# Allegro board 1151864-PCIE3_0_X16-166-20240802_20240815_2000_pcb.brd (continued)
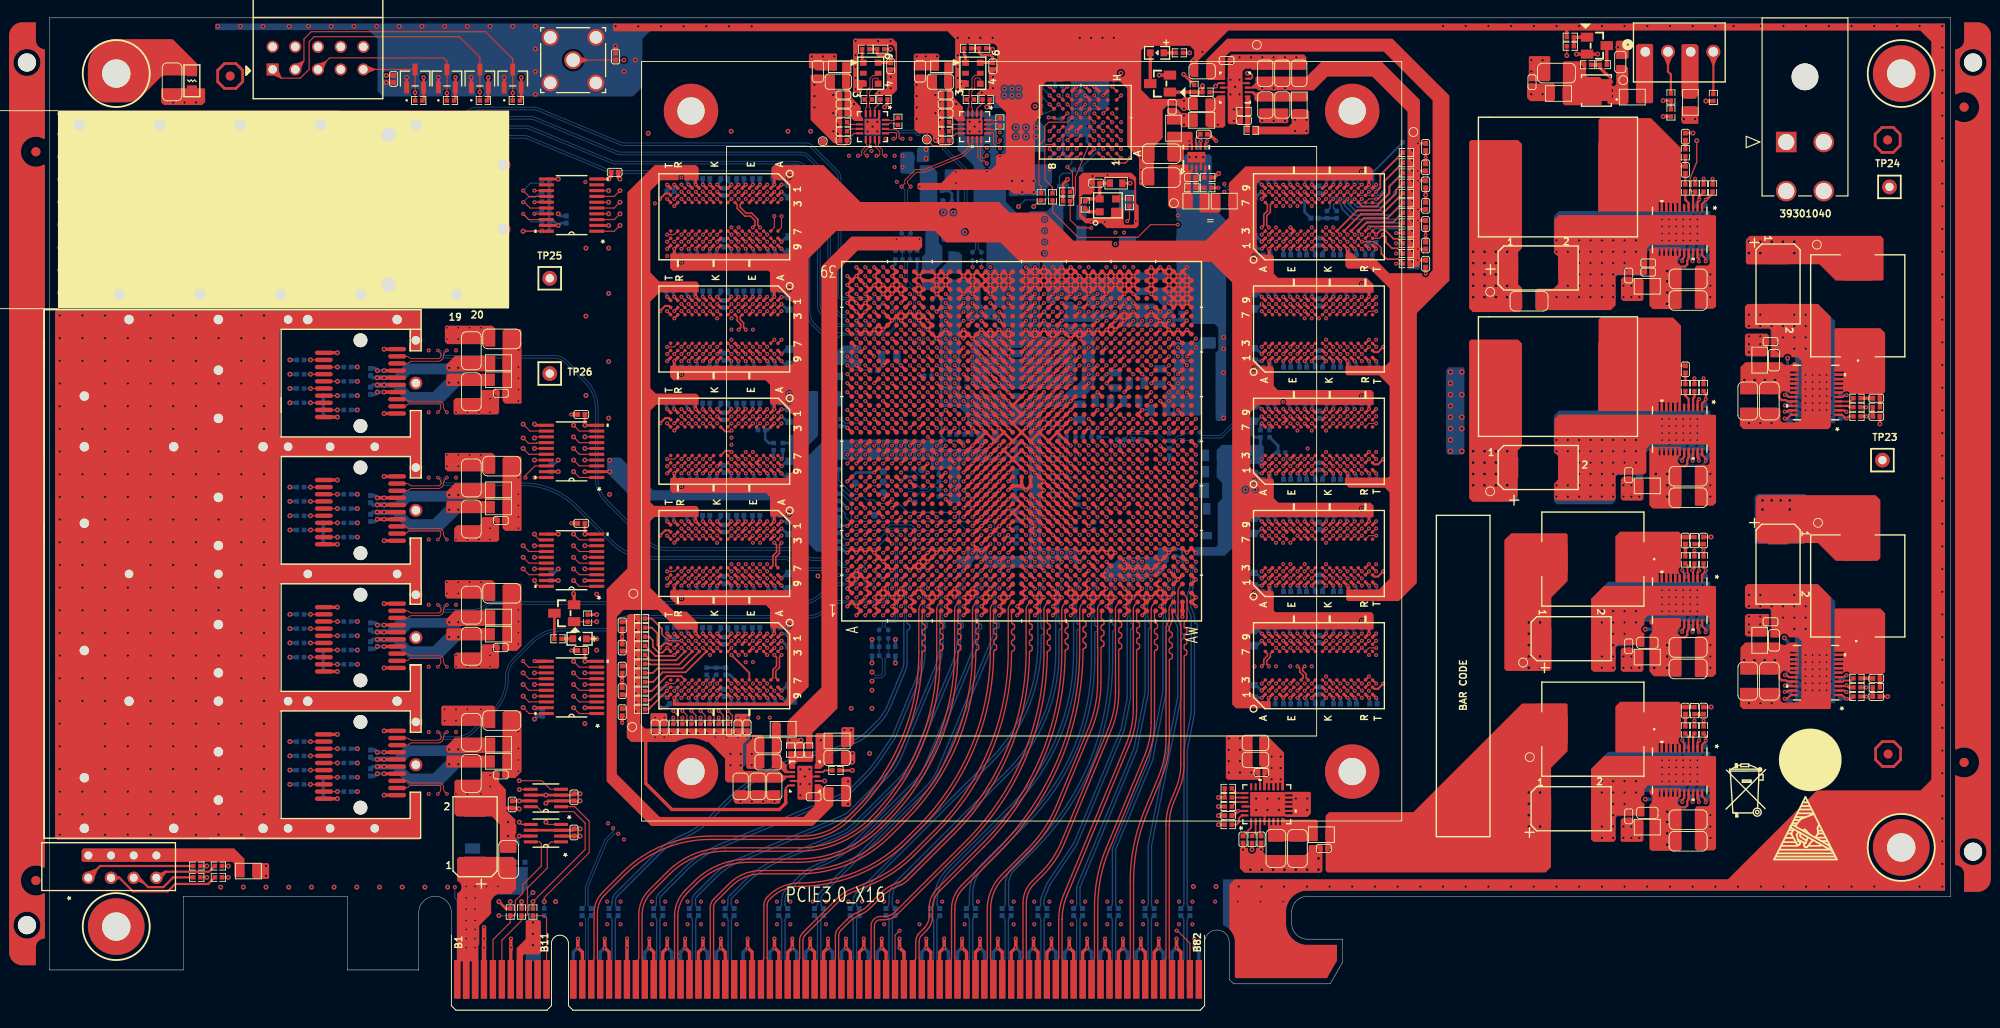
[diagram p0: board, top side]
## Nets (continued)
VCC1V2_VCCO: C54.1(CAP2) C55.1(CAP2) C62.1(CAP2) C63.1(CAP2) C64.1(CAP2) C65.1(CAP2) C66.1(CAP2) C67.1(CAP2) C99.1(CAP2) C100.1(CAP2) C101.1(CAP2) C102.1(CAP2) C103.1(CAP2) C104.1(CAP2) C105.1(CAP2) C106.1(CAP2) C107.1(CAP2) C108.1(CAP2) C109.1(CAP2) C110.1(CAP2) C111.1(CAP2) C112.1(CAP2) C113.1(CAP2) C114.1(CAP2) C115.1(CAP2) C116.1(CAP2) C117.1(CAP2) C118.1(CAP2) C119.1(CAP2) C120.1(CAP2) C121.1(CAP2) C122.1(CAP2) C129.1(CAP2) C130.1(CAP2) C131.1(CAP2) C132.1(CAP2) C133.1(CAP2) C134.1(CAP2) C135.1(CAP2) C136.1(CAP2) C137.1(CAP2) C138.1(CAP2) C139.1(CAP2) C140.1(CAP2) C141.1(CAP2) C142.1(CAP2) C143.1(CAP2) C144.1(CAP2) C145.1(CAP2) C146.1(CAP2) C147.1(CAP2) C148.1(CAP2) C149.1(CAP2) C150.1(CAP2) C151.1(CAP2) C152.1(CAP2) C154.1(CAP2) C170.1(CAP2) C171.1(CAP2) C172.1(CAP2) C173.1(CAP2) C174.1(CAP2) C175.1(CAP2) C176.1(CAP2) C177.1(CAP2) C178.1(CAP2) C179.1(CAP2) C180.1(CAP2) C181.1(CAP2) C188.1(CAP2) C189.1(CAP2) C190.1(CAP2) C191.1(CAP2) C192.1(CAP2) C193.1(CAP2) C194.1(CAP2) C195.1(CAP2) C196.1(CAP2) C197.1(CAP2) C198.1(CAP2) C199.1(CAP2) C200.1(CAP2) C201.1(CAP2) C202.1(CAP2) C203.1(CAP2) C204.1(CAP2) C205.1(CAP2) C206.1(CAP2) C207.1(CAP2) C208.1(CAP2) C209.1(CAP2) C210.1(CAP2) C211.1(CAP2) C218.1(CAP2) C219.1(CAP2) C220.1(CAP2) C221.1(CAP2) C222.1(CAP2) C223.1(CAP2) C224.1(CAP2) C225.1(CAP2) C226.1(CAP2) C227.1(CAP2) C228.1(CAP2) C229.1(CAP2) C230.1(CAP2) C231.1(CAP2) C232.1(CAP2) C233.1(CAP2) C234.1(CAP2) C235.1(CAP2) C236.1(CAP2) C237.1(CAP2) C238.1(CAP2) C239.1(CAP2) C240.1(CAP2) C241.1(CAP2) C243.1(CAP2) C259.1(CAP2) C260.1(CAP2) C261.1(CAP2) C262.1(CAP2) C263.1(CAP2) C264.1(CAP2) C265.1(CAP2) C266.1(CAP2) C267.1(CAP2) C268.1(CAP2) C269.1(CAP2) C270.1(CAP2) L7.2 L10.2 L12.2 R81.1 R94.2 R97.1 R128.1 R136.2 R139.1 U1.A26 U1.AF9 U1.AF19 U1.AG16 U1.AH13 U1.AJ10 U1.AJ20 U1.AK17 U1.AL14 U1.AM11 U1.AM21 U1.AN8 U1.AN18 U1.AP15 U1.AR12 U1.AT9 U1.AT19 U1.AU16 U1.AV13 U1.AW10 U1.AW20 U1.B23 U1.C20 U1.C30 U1.D27 U1.E24 U1.F21 U1.F31 U1.G18 U1.G28 U1.H25 U1.J22 U1.J32 U1.K19 U1.K29 U1.L26 U1.M23 U1.N20 U1.N30 U1.P27 U4.A1(VDDQ1) U4.A9(VDDQ2) U4.B3(VDD1) U4.B9(VDD2) U4.C1(VDDQ3) U4.D1(VDD3) U4.D9(VDDQ4) U4.F2(VDDQ5) U4.F8(VDDQ6) U4.G1(VDDQ7) U4.G7(VDD4) U4.G9(VDDQ8) U4.J1(VDD5) U4.J2(VDDQ9) U4.J8(VDDQ10) U4.J9(VDD6) U4.L1(VDD7) U4.L9(VDD8) U4.R1(VDD9) U4.T9(VDD10) U5.A1(VDDQ1) U5.A9(VDDQ2) U5.B3(VDD1) U5.B9(VDD2) U5.C1(VDDQ3) U5.D1(VDD3) U5.D9(VDDQ4) U5.F2(VDDQ5) U5.F8(VDDQ6) U5.G1(VDDQ7) U5.G7(VDD4) U5.G9(VDDQ8) U5.J1(VDD5) U5.J2(VDDQ9) U5.J8(VDDQ10) U5.J9(VDD6) U5.L1(VDD7) U5.L9(VDD8) U5.R1(VDD9) U5.T9(VDD10) U6.A1(VDDQ1) U6.A9(VDDQ2) U6.B3(VDD1) U6.B9(VDD2) U6.C1(VDDQ3) U6.D1(VDD3) U6.D9(VDDQ4) U6.F2(VDDQ5) U6.F8(VDDQ6) U6.G1(VDDQ7) U6.G7(VDD4) U6.G9(VDDQ8) U6.J1(VDD5) U6.J2(VDDQ9) U6.J8(VDDQ10) U6.J9(VDD6) U6.L1(VDD7) U6.L9(VDD8) U6.R1(VDD9) U6.T9(VDD10) U7.A1(VDDQ1) U7.A9(VDDQ2) U7.B3(VDD1) U7.B9(VDD2) U7.C1(VDDQ3) U7.D1(VDD3) U7.D9(VDDQ4) U7.F2(VDDQ5) U7.F8(VDDQ6) U7.G1(VDDQ7) U7.G7(VDD4) U7.G9(VDDQ8) U7.J1(VDD5) U7.J2(VDDQ9) U7.J8(VDDQ10) U7.J9(VDD6) U7.L1(VDD7) U7.L9(VDD8) U7.R1(VDD9) U7.T9(VDD10) U8.A1(VDDQ1) U8.A9(VDDQ2) U8.B3(VDD1) U8.B9(VDD2) U8.C1(VDDQ3) U8.D1(VDD3) U8.D9(VDDQ4) U8.F2(VDDQ5) U8.F8(VDDQ6) U8.G1(VDDQ7) U8.G7(VDD4) U8.G9(VDDQ8) U8.J1(VDD5) U8.J2(VDDQ9) U8.J8(VDDQ10) U8.J9(VDD6) U8.L1(VDD7) U8.L9(VDD8) U8.R1(VDD9) U8.T9(VDD10) U9.A1(VDDQ1) U9.A9(VDDQ2) U9.B3(VDD1) U9.B9(VDD2) U9.C1(VDDQ3) U9.D1(VDD3) U9.D9(VDDQ4) U9.F2(VDDQ5) U9.F8(VDDQ6) U9.G1(VDDQ7) U9.G7(VDD4) U9.G9(VDDQ8) U9.J1(VDD5) U9.J2(VDDQ9) U9.J8(VDDQ10) U9.J9(VDD6) U9.L1(VDD7) U9.L9(VDD8) U9.R1(VDD9) U9.T9(VDD10) U10.A1(VDDQ1) U10.A9(VDDQ2) U10.B3(VDD1) U10.B9(VDD2) U10.C1(VDDQ3) U10.D1(VDD3) U10.D9(VDDQ4) U10.F2(VDDQ5) U10.F8(VDDQ6) U10.G1(VDDQ7) U10.G7(VDD4) U10.G9(VDDQ8) U10.J1(VDD5) U10.J2(VDDQ9) U10.J8(VDDQ10) U10.J9(VDD6) U10.L1(VDD7) U10.L9(VDD8) U10.R1(VDD9) U10.T9(VDD10) U11.A1(VDDQ1) U11.A9(VDDQ2) U11.B3(VDD1) U11.B9(VDD2) U11.C1(VDDQ3) U11.D1(VDD3) U11.D9(VDDQ4) U11.F2(VDDQ5) U11.F8(VDDQ6) U11.G1(VDDQ7) U11.G7(VDD4) U11.G9(VDDQ8) U11.J1(VDD5) U11.J2(VDDQ9) U11.J8(VDDQ10) U11.J9(VDD6) U11.L1(VDD7) U11.L9(VDD8) U11.R1(VDD9) U11.T9(VDD10) U12.A1(VDDQ1) U12.A9(VDDQ2) U12.B3(VDD1) U12.B9(VDD2) U12.C1(VDDQ3) U12.D1(VDD3) U12.D9(VDDQ4) U12.F2(VDDQ5) U12.F8(VDDQ6) U12.G1(VDDQ7) U12.G7(VDD4) U12.G9(VDDQ8) U12.J1(VDD5) U12.J2(VDDQ9) U12.J8(VDDQ10) U12.J9(VDD6) U12.L1(VDD7) U12.L9(VDD8) U12.R1(VDD9) U12.T9(VDD10) U13.A1(VDDQ1) U13.A9(VDDQ2) U13.B3(VDD1) U13.B9(VDD2) U13.C1(VDDQ3) U13.D1(VDD3) U13.D9(VDDQ4) U13.F2(VDDQ5) U13.F8(VDDQ6) U13.G1(VDDQ7) U13.G7(VDD4) U13.G9(VDDQ8) U13.J1(VDD5) U13.J2(VDDQ9) U13.J8(VDDQ10) U13.J9(VDD6) U13.L1(VDD7) U13.L9(VDD8) U13.R1(VDD9) U13.T9(VDD10)
VCC1V5_MGT: C414.2(CAP1) CC9.1 CC10.1 L35.2 L36.1 R255.2 TP6.1
VCC1V5_MGT_PG: R248.2 U27.3(PGOOD)
VCC1V8: C1.1(CAP2) C3.1(CAP2) C10.1(CAP2) C11.1(CAP2) C303.1(CAP2) C305.1(CAP2) C307.1(CAP2) C309.1(CAP2) C329.1(CAP2) C341.1(CAP2) CC5.1 CC6.1 D1.2 D2.2 D3.2 D4.2 J1.4 L1.1 L3.2 L4.2 L6.1 L8.2 L31.2 R1.1 R2.1 R3.1 R7.1 R8.1 R9.1 R10.1 R11.1 R14.1 R17.1 R18.1 R24.1 R25.1 R26.1 R27.1 R28.1 R45.2 R46.2 R53.2 R54.2 R234.2 R276.1 R292.1 R297.2 TP4.1 U14.2(VCCA) U14.10(OE) U15.2(VCCA) U15.10(OE) U16.2(VCCA) U16.10(OE) U17.2(VCCA) U17.10(OE) U18.3(VCCA) U18.6(OE) U19.3(VCCA) U19.6(OE)
VCC1V8_AUX: C38.1(CAP2) C39.1(CAP2) C45.1(CAP2) C46.1(CAP2) C47.1(CAP2) C48.1(CAP2) C49.1(CAP2) C50.1(CAP2) C51.1(CAP2) L8.1 U1.AA26 U1.AA28 U1.AA30 U1.AB27 U1.AB29 U1.AB31 U1.AC26 U1.AC28 U1.AC30 U1.AD27 U1.AD29 U1.AD31 U1.AE26 U1.AE28 U1.AE30 U1.AF31 U1.P31 U1.R26 U1.R28 U1.R30 U1.T27 U1.T29 U1.T31 U1.U26 U1.U28 U1.U30 U1.V27 U1.V29 U1.V31 U1.W26 U1.W28 U1.W30 U1.Y27 U1.Y29 U1.Y31
VCC1V8_PG: R228.2 U25.3(PGOOD) U26.2(EN) U29.2(EN) U32.2(EN)
VCC1V8_VCCO: C25.1(CAP2) C26.1(CAP2) C30.1(CAP2) C31.1(CAP2) C32.1(CAP2) C33.1(CAP2) C34.1(CAP2) L6.2 U1.A16 U1.AA9 U1.AF29 U1.AG26 U1.AH23 U1.AJ30 U1.AK27 U1.AL24 U1.AM31 U1.AN28 U1.AP25 U1.AR22 U1.AR32 U1.AT29 U1.AU26 U1.AV23 U1.AW30 U1.B13 U1.C10 U1.D17 U1.E14 U1.F11 U1.G8 U1.H15 U1.J12 U1.K9 U1.L16 U1.M13 U1.N10 U1.W9
VCC2V5: L11.1 L42.2
VCC2V5_DDR4: C95.1(CAP2) C96.1(CAP2) C97.1(CAP2) C98.1(CAP2) C125.1(CAP2) C126.1(CAP2) C127.1(CAP2) C128.1(CAP2) C155.1(CAP2) C156.1(CAP2) C184.1(CAP2) C185.1(CAP2) C186.1(CAP2) C187.1(CAP2) C214.1(CAP2) C215.1(CAP2) C216.1(CAP2) C217.1(CAP2) C244.1(CAP2) C245.1(CAP2) L11.2 U4.B1(VPP1) U4.R9(VPP2) U5.B1(VPP1) U5.R9(VPP2) U6.B1(VPP1) U6.R9(VPP2) U7.B1(VPP1) U7.R9(VPP2) U8.B1(VPP1) U8.R9(VPP2) U9.B1(VPP1) U9.R9(VPP2) U10.B1(VPP1) U10.R9(VPP2) U11.B1(VPP1) U11.R9(VPP2) U12.B1(VPP1) U12.R9(VPP2) U13.B1(VPP1) U13.R9(VPP2)
VCC3V3: C274.1(CAP2) C275.1(CAP2) C281.1(CAP2) C282.1(CAP2) C285.1(CAP2) C288.1(CAP2) C293.1(CAP2) C294.1(CAP2) C299.1(CAP2) C300.1(CAP2) C304.1(CAP2) C306.1(CAP2) C308.1(CAP2) C310.1(CAP2) C330.1(CAP2) C342.1(CAP2) C358.1(CAP2) C365.1(CAP2) C412.2(CAP1) C430.2(CAP1) C434.2(CAP1) CC11.1 CC12.1 DS1.1 L5.2 L13.1 L14.1 L15.1 L16.1 L17.1 L18.1 L19.1 L20.1 L21.1 L22.1 L23.1 L24.2 L25.1 L26.2 L27.1 L38.2 L39.1 L41.1 L46.2 L48.2 R153.1 R154.1 R155.1 R156.1 R157.1 R158.1 R159.1 R160.1 R162.1 R164.1 R165.1 R166.1 R167.1 R168.1 R169.1 R170.1 R171.1 R172.1 R173.1 R174.1 R176.1 R178.1 R179.1 R180.1 R181.1 R182.1 R183.1 R184.1 R186.1 R188.1 R189.1 R190.1 R191.1 R192.1 R193.1 R194.1 R196.1 R198.1 R199.1 R200.1 R258.1 R259.1 R260.1 R261.1 R270.2 R291.1 TP7.1 U14.19(VCCB) U15.19(VCCB) U16.19(VCCB) U17.19(VCCB) U18.7(VCCB) U19.7(VCCB) U28.27(BIAS)
VCC3V3_PG: R263.2 U29.3(PGOOD)
VCC12V_FAN: C468.1(CAP2) L49.2 Q3.1(D1) Q3.2(D2) Q3.3(D3) TP15.1
VCC12V_FAN_EN: R302.2 U1.E16
VCC12V_FAN_FG: R297.1 R298.2 U1.F13
VCC12V_FAN_PWM: R300.2 U1.E13
VCC12V_IN: C312.1(CAP2) C313.1(CAP2) C314.1(CAP2) C315.1(CAP2) C316.1(CAP2) C317.1(CAP2) C318.1(CAP2) C377.2(CAP1) C386.2(CAP1) C395.2(CAP1) C404.2(CAP1) C422.2(CAP1) C439.2(CAP1) C466.2(CAP1) CC15.1 J5.1(POWER#1) J5.3(POWER#3) L28.1 L30.1 L32.1 L34.1 L37.1 L43.1 L50.1 P2.A2(+12V#A2) P2.A3(+12V#A3) P2.B1(+12V#B1) P2.B2(+12V#B2) P2.B3(+12V#B3) R222.1
BPI_FLASH_A_0: U1.AK29 U2.A1
BPI_FLASH_A_1: U1.AK30 U2.B1(A2)
BPI_FLASH_A_2: U1.AK28 U2.C1(A3)
BPI_FLASH_A_3: U1.AL28 U2.D1(A4)
BPI_FLASH_A_4: U1.AL30 U2.D2(A5)
BPI_FLASH_A_5: U1.AM30 U2.A2(A6)
BPI_FLASH_A_6: U1.AL32 U2.C2(A7)
BPI_FLASH_A_7: U1.AM32 U2.A3(A8)
BPI_FLASH_A_8: U1.AP31 U2.B3(A9)
BPI_FLASH_A_9: U1.AP32 U2.C3(A10)
BPI_FLASH_A_10: U1.AN30 U2.D3(A11)
BPI_FLASH_A_11: U1.AN31 U2.C4(A12)
BPI_FLASH_A_12: U1.AN29 U2.A5(A13)
BPI_FLASH_A_13: U1.AP29 U2.B5(A14)
BPI_FLASH_A_14: U1.AN32 U2.C5(A15)
BPI_FLASH_A_15: U1.AN33 U2.D7(A16)
BPI_FLASH_A_16: U1.AR29 U2.D8(A17)
BPI_FLASH_A_17: U1.AR30 U2.A7(A18)
BPI_FLASH_A_18: U1.AP28 U2.B7(A19)
BPI_FLASH_A_19: U1.AR28 U2.C7(A20)
BPI_FLASH_A_20: U1.AR31 U2.C8(A21)
BPI_FLASH_A_21: U1.AT31 U2.A8(A22)
BPI_FLASH_A_22: U1.AV31 U2.G1(A23)
BPI_FLASH_A_23: U1.AW31 U2.H8(A24)
BPI_FLASH_A_24: U1.AT30 U2.B6(A25)
BPI_FLASH_A_25: R30.2 U1.AU30
BPI_FLASH_A_26: R31.2 U1.AT28
BPI_FLASH_ADV_B: R26.2 U1.AM33 U2.F6(ADV_B)
BPI_FLASH_CE_B: R24.2 U1.AE8 U2.B4(CE_B)
BPI_FLASH_CLK: R6.2 U2.E6(CLK)
BPI_FLASH_DQ_0: U1.AB8 U2.F2(DQ0)
BPI_FLASH_DQ_1: U1.AD8 U2.E2(DQ1)
BPI_FLASH_DQ_2: U1.Y8 U2.G3(DQ2)
BPI_FLASH_DQ_3: U1.AC8 U2.E4(DQ3)
BPI_FLASH_DQ_4: U1.AF30 U2.E5(DQ4)
BPI_FLASH_DQ_5: U1.AG30 U2.G5(DQ5)
BPI_FLASH_DQ_6: U1.AF28 U2.G6(DQ6)
BPI_FLASH_DQ_7: U1.AG28 U2.H7(DQ7)
BPI_FLASH_DQ_8: U1.AH30 U2.E1(DQ8)
BPI_FLASH_DQ_9: U1.AH31 U2.E3(DQ9)
BPI_FLASH_DQ_10: U1.AG27 U2.F3(DQ10)
BPI_FLASH_DQ_11: U1.AH27 U2.F4(DQ11)
BPI_FLASH_DQ_12: U1.AK31 U2.F5(DQ12)
BPI_FLASH_DQ_13: U1.AL31 U2.H5(DQ13)
BPI_FLASH_DQ_14: U1.AM28 U2.G7(DQ14)
BPI_FLASH_DQ_15: U1.AM29 U2.E7(DQ15)
BPI_FLASH_OE_B: R25.2 U1.AV29 U2.F8(OE_B)
BPI_FLASH_RST_B: R5.2 U2.D4(RST_B)
BPI_FLASH_WAIT: R29.1 U1.AP33
BPI_FLASH_WE_B: R28.2 U1.AV30 U2.G8(WE_B)
DDR4_1_POWER_GOOD: R290.1 U33.9(PGOOD)
DDR4_2_POWER_GOOD: R295.1 U34.9(PGOOD)
DDR_POWER_GOOD: Q2.1(GATE) R290.2 R292.2 R295.2
FPGA_CCLK: R6.1 U1.AB10
FPGA_DDR4_1_A0: R78.1 U1.K28 U4.P3(A0) U5.P3(A0) U6.P3(A0) U7.P3(A0) U8.P3(A0)
FPGA_DDR4_1_A1: R79.1 U1.H29 U4.P7(A1) U5.P7(A1) U6.P7(A1) U7.P7(A1) U8.P7(A1)
FPGA_DDR4_1_A2: R80.1 U1.J29 U4.R3(A2) U5.R3(A2) U6.R3(A2) U7.R3(A2) U8.R3(A2)
FPGA_DDR4_1_A3: R82.1 U1.M30 U4.N7(A3) U5.N7(A3) U6.N7(A3) U7.N7(A3) U8.N7(A3)
FPGA_DDR4_1_A4: R83.1 U1.L29 U4.N3(A4) U5.N3(A4) U6.N3(A4) U7.N3(A4) U8.N3(A4)
FPGA_DDR4_1_A5: R84.1 U1.H28 U4.P8(A5) U5.P8(A5) U6.P8(A5) U7.P8(A5) U8.P8(A5)
FPGA_DDR4_1_A6: R85.1 U1.H32 U4.P2(A6) U5.P2(A6) U6.P2(A6) U7.P2(A6) U8.P2(A6)
FPGA_DDR4_1_A7: R86.1 U1.G31 U4.R8(A7) U5.R8(A7) U6.R8(A7) U7.R8(A7) U8.R8(A7)
FPGA_DDR4_1_A8: R87.1 U1.J28 U4.R2(A8) U5.R2(A8) U6.R2(A8) U7.R2(A8) U8.R2(A8)
FPGA_DDR4_1_A9: R88.1 U1.F30 U4.R7(A9) U5.R7(A9) U6.R7(A9) U7.R7(A9) U8.R7(A9)
FPGA_DDR4_1_A10: R89.1 U1.L27 U4.M3(A10/AP) U5.M3(A10/AP) U6.M3(A10/AP) U7.M3(A10/AP) U8.M3(A10/AP)
FPGA_DDR4_1_A11: R90.1 U1.G32 U4.T2(A11) U5.T2(A11) U6.T2(A11) U7.T2(A11) U8.T2(A11)
FPGA_DDR4_1_A12: R91.1 U1.L30 U4.M7(A12/BC_N) U5.M7(A12/BC_N) U6.M7(A12/BC_N) U7.M7(A12/BC_N) U8.M7(A12/BC_N)
FPGA_DDR4_1_A13: R92.1 U1.G30 U4.T8(A13) U5.T8(A13) U6.T8(A13) U7.T8(A13) U8.T8(A13)
FPGA_DDR4_1_ACT_B: R104.1 U1.M27 U4.L3(ACT_B) U5.L3(ACT_B) U6.L3(ACT_B) U7.L3(ACT_B) U8.L3(ACT_B)
FPGA_DDR4_1_ALERT_N: R81.2 U4.P9(ALERT_N) U5.P9(ALERT_N) U6.P9(ALERT_N) U7.P9(ALERT_N) U8.P9(ALERT_N)
FPGA_DDR4_1_BA0: R98.1 U1.N31 U4.N2(BA0) U5.N2(BA0) U6.N2(BA0) U7.N2(BA0) U8.N2(BA0)
FPGA_DDR4_1_BA1: R100.1 U1.M31 U4.N8(BA1) U5.N8(BA1) U6.N8(BA1) U7.N8(BA1) U8.N8(BA1)
FPGA_DDR4_1_BG0: R101.1 U1.N27 U4.M2(BG0) U5.M2(BG0) U6.M2(BG0) U7.M2(BG0) U8.M2(BG0)
FPGA_DDR4_1_CAS_N: R95.1 U1.K30 U4.M8(CAS_N/A15) U5.M8(CAS_N/A15) U6.M8(CAS_N/A15) U7.M8(CAS_N/A15) U8.M8(CAS_N/A15)
FPGA_DDR4_1_CK_C: R110.2 U1.P30 U4.K8(CK_C) U5.K8(CK_C) U6.K8(CK_C) U7.K8(CK_C) U8.K8(CK_C)
FPGA_DDR4_1_CK_T: R109.2 U1.P29 U4.K7(CK_T) U5.K7(CK_T) U6.K7(CK_T) U7.K7(CK_T) U8.K7(CK_T)
FPGA_DDR4_1_CKE: R102.1 U1.N29 U4.K2(CKE) U5.K2(CKE) U6.K2(CKE) U7.K2(CKE) U8.K2(CKE)
FPGA_DDR4_1_CS_B: R103.1 U1.K31 U4.L7(CS_B) U5.L7(CS_B) U6.L7(CS_B) U7.L7(CS_B) U8.L7(CS_B)
FPGA_DDR4_1_DQ0: U1.B27 U4.G2(DQ0)
FPGA_DDR4_1_DQ1: U1.D23 U4.F7(DQ1)
FPGA_DDR4_1_DQ2: U1.C26 U4.H3(DQ2)
FPGA_DDR4_1_DQ3: U1.B24 U4.H7(DQ3)
FPGA_DDR4_1_DQ4: U1.C27 U4.H2(DQ4)
FPGA_DDR4_1_DQ5: U1.C23 U4.H8(DQ5)
FPGA_DDR4_1_DQ6: U1.B26 U4.J3(DQ6)
FPGA_DDR4_1_DQ7: U1.C24 U4.J7(DQ7)
FPGA_DDR4_1_DQ8: U1.E26 U4.A3(DQ8)
FPGA_DDR4_1_DQ9: U1.F24 U4.B8(DQ9)
FPGA_DDR4_1_DQ10: U1.G25 U4.C3(DQ10)
FPGA_DDR4_1_DQ11: U1.G24 U4.C7(DQ11)
FPGA_DDR4_1_DQ12: U1.F27 U4.C2(DQ12)
FPGA_DDR4_1_DQ13: U1.E25 U4.C8(DQ13)
FPGA_DDR4_1_DQ14: U1.E27 U4.D3(DQ14)
FPGA_DDR4_1_DQ15: U1.F25 U4.D7(DQ15)
FPGA_DDR4_1_DQ16: U1.K25 U5.G2(DQ0)
FPGA_DDR4_1_DQ17: U1.G26 U5.F7(DQ1)
FPGA_DDR4_1_DQ18: U1.J26 U5.H3(DQ2)
FPGA_DDR4_1_DQ19: U1.J24 U5.H7(DQ3)
FPGA_DDR4_1_DQ20: U1.K26 U5.H2(DQ4)
FPGA_DDR4_1_DQ21: U1.J23 U5.H8(DQ5)
FPGA_DDR4_1_DQ22: U1.G27 U5.J3(DQ6)
FPGA_DDR4_1_DQ23: U1.J25 U5.J7(DQ7)
FPGA_DDR4_1_DQ24: U1.N24 U5.A3(DQ8)
FPGA_DDR4_1_DQ25: U1.L25 U5.B8(DQ9)
FPGA_DDR4_1_DQ26: U1.N26 U5.C3(DQ10)
FPGA_DDR4_1_DQ27: U1.L24 U5.C7(DQ11)
FPGA_DDR4_1_DQ28: U1.P24 U5.C2(DQ12)
FPGA_DDR4_1_DQ29: U1.L23 U5.C8(DQ13)
FPGA_DDR4_1_DQ30: U1.M26 U5.D3(DQ14)
FPGA_DDR4_1_DQ31: U1.K23 U5.D7(DQ15)
FPGA_DDR4_1_DQ32: U1.B22 U6.G2(DQ0)
FPGA_DDR4_1_DQ33: U1.C19 U6.F7(DQ1)
FPGA_DDR4_1_DQ34: U1.B19 U6.H3(DQ2)
FPGA_DDR4_1_DQ35: U1.C18 U6.H7(DQ3)
FPGA_DDR4_1_DQ36: U1.A22 U6.H2(DQ4)
FPGA_DDR4_1_DQ37: U1.D18 U6.H8(DQ5)
FPGA_DDR4_1_DQ38: U1.A19 U6.J3(DQ6)
FPGA_DDR4_1_DQ39: U1.A18 U6.J7(DQ7)
FPGA_DDR4_1_DQ40: U1.E21 U6.A3(DQ8)
FPGA_DDR4_1_DQ41: U1.F18 U6.B8(DQ9)
FPGA_DDR4_1_DQ42: U1.F20 U6.C3(DQ10)
FPGA_DDR4_1_DQ43: U1.F19 U6.C7(DQ11)
FPGA_DDR4_1_DQ44: U1.D21 U6.C2(DQ12)
FPGA_DDR4_1_DQ45: U1.G19 U6.C8(DQ13)
FPGA_DDR4_1_DQ46: U1.G20 U6.D3(DQ14)
FPGA_DDR4_1_DQ47: U1.E18 U6.D7(DQ15)
FPGA_DDR4_1_DQ48: U1.G21 U7.G2(DQ0)
FPGA_DDR4_1_DQ49: U1.H18 U7.F7(DQ1)
FPGA_DDR4_1_DQ50: U1.J20 U7.H3(DQ2)
FPGA_DDR4_1_DQ51: U1.J18 U7.H7(DQ3)
FPGA_DDR4_1_DQ52: U1.G22 U7.H2(DQ4)
FPGA_DDR4_1_DQ53: U1.K18 U7.H8(DQ5)
FPGA_DDR4_1_DQ54: U1.H19 U7.J3(DQ6)
FPGA_DDR4_1_DQ55: U1.J19 U7.J7(DQ7)
FPGA_DDR4_1_DQ56: U1.M22 U7.A3(DQ8)
FPGA_DDR4_1_DQ57: U1.N19 U7.B8(DQ9)
FPGA_DDR4_1_DQ58: U1.M21 U7.C3(DQ10)
FPGA_DDR4_1_DQ59: U1.M19 U7.C7(DQ11)
FPGA_DDR4_1_DQ60: U1.L20 U7.C2(DQ12)
FPGA_DDR4_1_DQ61: U1.M20 U7.C8(DQ13)
FPGA_DDR4_1_DQ62: U1.L19 U7.D3(DQ14)
FPGA_DDR4_1_DQ63: U1.L18 U7.D7(DQ15)
FPGA_DDR4_1_DQ64: U1.D31 U8.G2(DQ0)
FPGA_DDR4_1_DQ65: U1.D28 U8.F7(DQ1)
FPGA_DDR4_1_DQ66: U1.C31 U8.H3(DQ2)
FPGA_DDR4_1_DQ67: U1.C28 U8.H7(DQ3)
FPGA_DDR4_1_DQ68: U1.B31 U8.H2(DQ4)
FPGA_DDR4_1_DQ69: U1.D30 U8.H8(DQ5)
FPGA_DDR4_1_DQ70: U1.A29 U8.J3(DQ6)
FPGA_DDR4_1_DQ71: U1.A28 U8.J7(DQ7)
FPGA_DDR4_1_LDM1_N: U1.A23 U4.E7(LDM_N/LDBI_N)
FPGA_DDR4_1_LDM2_N: U1.H26 U5.E7(LDM_N/LDBI_N)
FPGA_DDR4_1_LDM3_N: U1.B20 U6.E7(LDM_N/LDBI_N)
FPGA_DDR4_1_LDM4_N: U1.H22 U7.E7(LDM_N/LDBI_N)
FPGA_DDR4_1_LDM5_N: U1.B30 U8.E7(LDM_N/LDBI_N)
FPGA_DDR4_1_LDQS1_C: U1.A25 U4.F3(LDQS_C)
FPGA_DDR4_1_LDQS1_T: U1.B25 U4.G3(LDQS_T)
FPGA_DDR4_1_LDQS2_C: U1.H24 U5.F3(LDQS_C)
FPGA_DDR4_1_LDQS2_T: U1.H23 U5.G3(LDQS_T)
FPGA_DDR4_1_LDQS3_C: U1.B21 U6.F3(LDQS_C)
FPGA_DDR4_1_LDQS3_T: U1.C21 U6.G3(LDQS_T)
FPGA_DDR4_1_LDQS4_C: U1.K20 U7.F3(LDQS_C)
FPGA_DDR4_1_LDQS4_T: U1.K21 U7.G3(LDQS_T)
FPGA_DDR4_1_LDQS5_C: U1.B29 U8.F3(LDQS_C)
FPGA_DDR4_1_LDQS5_T: U1.C29 U8.G3(LDQS_T)
FPGA_DDR4_1_ODT: R105.1 U1.M29 U4.K3(ODT) U5.K3(ODT) U6.K3(ODT) U7.K3(ODT) U8.K3(ODT)
FPGA_DDR4_1_PAR: R106.1 U1.H33 U4.T3(PAR) U5.T3(PAR) U6.T3(PAR) U7.T3(PAR) U8.T3(PAR)
FPGA_DDR4_1_RAS_N: R96.1 U1.J30 U4.L8(RAS_N/A16) U5.L8(RAS_N/A16) U6.L8(RAS_N/A16) U7.L8(RAS_N/A16) U8.L8(RAS_N/A16)
FPGA_DDR4_1_RESET_N: R73.1 U1.E31 U4.P1(RESET_N) U5.P1(RESET_N) U6.P1(RESET_N) U7.P1(RESET_N) U8.P1(RESET_N)
FPGA_DDR4_1_UDM1_N: U1.D25 U4.E2(UDM_N/UDBI_N)
FPGA_DDR4_1_UDM2_N: U1.P25 U5.E2(UDM_N/UDBI_N)
FPGA_DDR4_1_UDM3_N: U1.E20 U6.E2(UDM_N/UDBI_N)
FPGA_DDR4_1_UDM4_N: U1.N22 U7.E2(UDM_N/UDBI_N)
FPGA_DDR4_1_UDQS1_C: U1.E23 U4.A7(UDQS_C)
FPGA_DDR4_1_UDQS1_T: U1.F23 U4.B7(UDQS_T)
FPGA_DDR4_1_UDQS2_C: U1.M25 U5.A7(UDQS_C)
FPGA_DDR4_1_UDQS2_T: U1.M24 U5.B7(UDQS_T)
FPGA_DDR4_1_UDQS3_C: U1.E22 U6.A7(UDQS_C)
FPGA_DDR4_1_UDQS3_T: U1.F22 U6.B7(UDQS_T)
FPGA_DDR4_1_UDQS4_C: U1.K22 U7.A7(UDQS_C)
FPGA_DDR4_1_UDQS4_T: U1.L22 U7.B7(UDQS_T)
FPGA_DDR4_1_WE_N: R93.1 U1.N28 U4.L2(WE_N/A14) U5.L2(WE_N/A14) U6.L2(WE_N/A14) U7.L2(WE_N/A14) U8.L2(WE_N/A14)
FPGA_DDR4_2_A0: R120.1 U1.AK18 U9.P3(A0) U10.P3(A0) U11.P3(A0) U12.P3(A0) U13.P3(A0)
FPGA_DDR4_2_A1: R121.1 U1.AR21 U9.P7(A1) U10.P7(A1) U11.P7(A1) U12.P7(A1) U13.P7(A1)
FPGA_DDR4_2_A2: R122.1 U1.AH21 U9.R3(A2) U10.R3(A2) U11.R3(A2) U12.R3(A2) U13.R3(A2)
FPGA_DDR4_2_A3: R123.1 U1.AR19 U9.N7(A3) U10.N7(A3) U11.N7(A3) U12.N7(A3) U13.N7(A3)
FPGA_DDR4_2_A4: R124.1 U1.AJ19 U9.N3(A4) U10.N3(A4) U11.N3(A4) U12.N3(A4) U13.N3(A4)
FPGA_DDR4_2_A5: R125.1 U1.AK21 U9.P8(A5) U10.P8(A5) U11.P8(A5) U12.P8(A5) U13.P8(A5)
FPGA_DDR4_2_A6: R126.1 U1.AM19 U9.P2(A6) U10.P2(A6) U11.P2(A6) U12.P2(A6) U13.P2(A6)
FPGA_DDR4_2_A7: R127.1 U1.AL21 U9.R8(A7) U10.R8(A7) U11.R8(A7) U12.R8(A7) U13.R8(A7)
FPGA_DDR4_2_A8: R129.1 U1.AF20 U9.R2(A8) U10.R2(A8) U11.R2(A8) U12.R2(A8) U13.R2(A8)
FPGA_DDR4_2_A9: R130.1 U1.AM22 U9.R7(A9) U10.R7(A9) U11.R7(A9) U12.R7(A9) U13.R7(A9)
FPGA_DDR4_2_A10: R131.1 U1.AF21 U9.M3(A10/AP) U10.M3(A10/AP) U11.M3(A10/AP) U12.M3(A10/AP) U13.M3(A10/AP)
FPGA_DDR4_2_A11: R132.1 U1.AG18 U9.T2(A11) U10.T2(A11) U11.T2(A11) U12.T2(A11) U13.T2(A11)
FPGA_DDR4_2_A12: R133.1 U1.AL18 U9.M7(A12/BC_N) U10.M7(A12/BC_N) U11.M7(A12/BC_N) U12.M7(A12/BC_N) U13.M7(A12/BC_N)
FPGA_DDR4_2_A13: R134.1 U1.AN21 U9.T8(A13) U10.T8(A13) U11.T8(A13) U12.T8(A13) U13.T8(A13)
FPGA_DDR4_2_ACT_B: R146.1 U1.AK19 U9.L3(ACT_B) U10.L3(ACT_B) U11.L3(ACT_B) U12.L3(ACT_B) U13.L3(ACT_B)
FPGA_DDR4_2_ALERT_N: R128.2 U9.P9(ALERT_N) U10.P9(ALERT_N) U11.P9(ALERT_N) U12.P9(ALERT_N) U13.P9(ALERT_N)
FPGA_DDR4_2_BA0: R141.1 U1.AH19 U9.N2(BA0) U10.N2(BA0) U11.N2(BA0) U12.N2(BA0) U13.N2(BA0)
FPGA_DDR4_2_BA1: R142.1 U1.AR18 U9.N8(BA1) U10.N8(BA1) U11.N8(BA1) U12.N8(BA1) U13.N8(BA1)
FPGA_DDR4_2_BG0: R143.1 U1.AH22 U9.M2(BG0) U10.M2(BG0) U11.M2(BG0) U12.M2(BG0) U13.M2(BG0)
FPGA_DDR4_2_CAS_N: R137.1 U1.AP21 U9.M8(CAS_N/A15) U10.M8(CAS_N/A15) U11.M8(CAS_N/A15) U12.M8(CAS_N/A15) U13.M8(CAS_N/A15)
FPGA_DDR4_2_CK_C: R152.2 U1.AH20 U9.K8(CK_C) U10.K8(CK_C) U11.K8(CK_C) U12.K8(CK_C) U13.K8(CK_C)
FPGA_DDR4_2_CK_T: R151.2 U1.AG20 U9.K7(CK_T) U10.K7(CK_T) U11.K7(CK_T) U12.K7(CK_T) U13.K7(CK_T)
FPGA_DDR4_2_CKE: R144.1 U1.AJ21 U9.K2(CKE) U10.K2(CKE) U11.K2(CKE) U12.K2(CKE) U13.K2(CKE)
FPGA_DDR4_2_CS_B: R145.1 U1.AM18 U9.L7(CS_B) U10.L7(CS_B) U11.L7(CS_B) U12.L7(CS_B) U13.L7(CS_B)
FPGA_DDR4_2_DQ0: U1.AJ16 U9.G2(DQ0)
FPGA_DDR4_2_DQ1: U1.AG17 U9.F7(DQ1)
FPGA_DDR4_2_DQ2: U1.AJ14 U9.H3(DQ2)
FPGA_DDR4_2_DQ3: U1.AG15 U9.H7(DQ3)
FPGA_DDR4_2_DQ4: U1.AJ13 U9.H2(DQ4)
FPGA_DDR4_2_DQ5: U1.AF15 U9.H8(DQ5)
FPGA_DDR4_2_DQ6: U1.AJ17 U9.J3(DQ6)
FPGA_DDR4_2_DQ7: U1.AH17 U9.J7(DQ7)
FPGA_DDR4_2_DQ8: U1.AM17 U9.A3(DQ8)
FPGA_DDR4_2_DQ9: U1.AM13 U9.B8(DQ9)
FPGA_DDR4_2_DQ10: U1.AM15 U9.C3(DQ10)
FPGA_DDR4_2_DQ11: U1.AL15 U9.C7(DQ11)
FPGA_DDR4_2_DQ12: U1.AM14 U9.C2(DQ12)
FPGA_DDR4_2_DQ13: U1.AL13 U9.C8(DQ13)
FPGA_DDR4_2_DQ14: U1.AL17 U9.D3(DQ14)
FPGA_DDR4_2_DQ15: U1.AN14 U9.D7(DQ15)
FPGA_DDR4_2_DQ16: U1.AR14 U10.G2(DQ0)
FPGA_DDR4_2_DQ17: U1.AP17 U10.F7(DQ1)
FPGA_DDR4_2_DQ18: U1.AT15 U10.H3(DQ2)
FPGA_DDR4_2_DQ19: U1.AN16 U10.H7(DQ3)
FPGA_DDR4_2_DQ20: U1.AR15 U10.H2(DQ4)
FPGA_DDR4_2_DQ21: U1.AN17 U10.H8(DQ5)
FPGA_DDR4_2_DQ22: U1.AP14 U10.J3(DQ6)
FPGA_DDR4_2_DQ23: U1.AN15 U10.J7(DQ7)
FPGA_DDR4_2_DQ24: U1.AU15 U10.A3(DQ8)
FPGA_DDR4_2_DQ25: U1.AT16 U10.B8(DQ9)
FPGA_DDR4_2_DQ26: U1.AV14 U10.C3(DQ10)
FPGA_DDR4_2_DQ27: U1.AW18 U10.C7(DQ11)
FPGA_DDR4_2_DQ28: U1.AV15 U10.C2(DQ12)
FPGA_DDR4_2_DQ29: U1.AT17 U10.C8(DQ13)
FPGA_DDR4_2_DQ30: U1.AW14 U10.D3(DQ14)
FPGA_DDR4_2_DQ31: U1.AW17 U10.D7(DQ15)
FPGA_DDR4_2_DQ32: U1.AG10 U11.G2(DQ0)
FPGA_DDR4_2_DQ33: U1.AJ11 U11.F7(DQ1)
FPGA_DDR4_2_DQ34: U1.AJ9 U11.H3(DQ2)
FPGA_DDR4_2_DQ35: U1.AJ12 U11.H7(DQ3)
FPGA_DDR4_2_DQ36: U1.AH10 U11.H2(DQ4)
FPGA_DDR4_2_DQ37: U1.AH12 U11.H8(DQ5)
FPGA_DDR4_2_DQ38: U1.AK9 U11.J3(DQ6)
FPGA_DDR4_2_DQ39: U1.AK10 U11.J7(DQ7)
FPGA_DDR4_2_DQ40: U1.AK11 U11.A3(DQ8)
FPGA_DDR4_2_DQ41: U1.AN9 U11.B8(DQ9)
FPGA_DDR4_2_DQ42: U1.AM9 U11.C3(DQ10)
FPGA_DDR4_2_DQ43: U1.AN10 U11.C7(DQ11)
FPGA_DDR4_2_DQ44: U1.AL8 U11.C2(DQ12)
FPGA_DDR4_2_DQ45: U1.AM10 U11.C8(DQ13)
FPGA_DDR4_2_DQ46: U1.AM8 U11.D3(DQ14)
FPGA_DDR4_2_DQ47: U1.AL10 U11.D7(DQ15)
FPGA_DDR4_2_DQ48: U1.AP8 U12.G2(DQ0)
FPGA_DDR4_2_DQ49: U1.AT11 U12.F7(DQ1)
FPGA_DDR4_2_DQ50: U1.AP9 U12.H3(DQ2)
FPGA_DDR4_2_DQ51: U1.AR11 U12.H7(DQ3)
FPGA_DDR4_2_DQ52: U1.AP11 U12.H2(DQ4)
FPGA_DDR4_2_DQ53: U1.AP12 U12.H8(DQ5)
FPGA_DDR4_2_DQ54: U1.AR10 U12.J3(DQ6)
FPGA_DDR4_2_DQ55: U1.AT10 U12.J7(DQ7)
FPGA_DDR4_2_DQ56: U1.AV10 U12.A3(DQ8)
FPGA_DDR4_2_DQ57: U1.AV12 U12.B8(DQ9)
FPGA_DDR4_2_DQ58: U1.AV11 U12.C3(DQ10)
FPGA_DDR4_2_DQ59: U1.AW12 U12.C7(DQ11)
FPGA_DDR4_2_DQ60: U1.AU10 U12.C2(DQ12)
FPGA_DDR4_2_DQ61: U1.AW13 U12.C8(DQ13)
FPGA_DDR4_2_DQ62: U1.AW11 U12.D3(DQ14)
FPGA_DDR4_2_DQ63: U1.AU13 U12.D7(DQ15)
FPGA_DDR4_2_DQ64: U1.AV19 U13.G2(DQ0)
FPGA_DDR4_2_DQ65: U1.AU22 U13.F7(DQ1)
FPGA_DDR4_2_DQ66: U1.AW19 U13.H3(DQ2)
FPGA_DDR4_2_DQ67: U1.AW22 U13.H7(DQ3)
FPGA_DDR4_2_DQ68: U1.AU18 U13.H2(DQ4)
FPGA_DDR4_2_DQ69: U1.AT22 U13.H8(DQ5)
FPGA_DDR4_2_DQ70: U1.AU19 U13.J3(DQ6)
FPGA_DDR4_2_DQ71: U1.AW21 U13.J7(DQ7)
FPGA_DDR4_2_LDM1_N: U1.AG14 U9.E7(LDM_N/LDBI_N)
FPGA_DDR4_2_LDM2_N: U1.AP16 U10.E7(LDM_N/LDBI_N)
FPGA_DDR4_2_LDM3_N: U1.AG12 U11.E7(LDM_N/LDBI_N)
FPGA_DDR4_2_LDM4_N: U1.AR9 U12.E7(LDM_N/LDBI_N)
FPGA_DDR4_2_LDM5_N: U1.AU20 U13.E7(LDM_N/LDBI_N)
FPGA_DDR4_2_LDQS1_C: U1.AH15 U9.F3(LDQS_C)
FPGA_DDR4_2_LDQS1_T: U1.AH16 U9.G3(LDQS_T)
FPGA_DDR4_2_LDQS2_C: U1.AT13 U10.F3(LDQS_C)
FPGA_DDR4_2_LDQS2_T: U1.AR13 U10.G3(LDQS_T)
FPGA_DDR4_2_LDQS3_C: U1.AH9 U11.F3(LDQS_C)
FPGA_DDR4_2_LDQS3_T: U1.AG9 U11.G3(LDQS_T)
FPGA_DDR4_2_LDQS4_C: U1.AN11 U12.F3(LDQS_C)
FPGA_DDR4_2_LDQS4_T: U1.AN12 U12.G3(LDQS_T)
FPGA_DDR4_2_LDQS5_C: U1.AV21 U13.F3(LDQS_C)
FPGA_DDR4_2_LDQS5_T: U1.AV22 U13.G3(LDQS_T)
FPGA_DDR4_2_ODT: R147.1 U1.AK20 U9.K3(ODT) U10.K3(ODT) U11.K3(ODT) U12.K3(ODT) U13.K3(ODT)
FPGA_DDR4_2_PAR: R148.1 U1.AG19 U9.T3(PAR) U10.T3(PAR) U11.T3(PAR) U12.T3(PAR) U13.T3(PAR)
FPGA_DDR4_2_RAS_N: R138.1 U1.AN19 U9.L8(RAS_N/A16) U10.L8(RAS_N/A16) U11.L8(RAS_N/A16) U12.L8(RAS_N/A16) U13.L8(RAS_N/A16)
FPGA_DDR4_2_RESET_N: R115.1 U1.AN20 U9.P1(RESET_N) U10.P1(RESET_N) U11.P1(RESET_N) U12.P1(RESET_N) U13.P1(RESET_N)
FPGA_DDR4_2_UDM1_N: U1.AK15 U9.E2(UDM_N/UDBI_N)
FPGA_DDR4_2_UDM2_N: U1.AV16 U10.E2(UDM_N/UDBI_N)
FPGA_DDR4_2_UDM3_N: U1.AL12 U11.E2(UDM_N/UDBI_N)
FPGA_DDR4_2_UDM4_N: U1.AU9 U12.E2(UDM_N/UDBI_N)
FPGA_DDR4_2_UDQS1_C: U1.AL16 U9.A7(UDQS_C)
FPGA_DDR4_2_UDQS1_T: U1.AK16 U9.B7(UDQS_T)
FPGA_DDR4_2_UDQS2_C: U1.AV17 U10.A7(UDQS_C)
FPGA_DDR4_2_UDQS2_T: U1.AU17 U10.B7(UDQS_T)
FPGA_DDR4_2_UDQS3_C: U1.AN7 U11.A7(UDQS_C)
FPGA_DDR4_2_UDQS3_T: U1.AM7 U11.B7(UDQS_T)
FPGA_DDR4_2_UDQS4_C: U1.AU12 U12.A7(UDQS_C)
FPGA_DDR4_2_UDQS4_T: U1.AT12 U12.B7(UDQS_T)
FPGA_DDR4_2_WE_N: R135.1 U1.AJ22 U9.L2(WE_N/A14) U10.L2(WE_N/A14) U11.L2(WE_N/A14) U12.L2(WE_N/A14) U13.L2(WE_N/A14)
FPGA_DDR4_CLK_1_200M_N: C372.2(CAP1) R39.1 R40.2 R42.2 U1.H31
FPGA_DDR4_CLK_1_200M_P: C373.2(CAP1) R38.1 R40.1 R41.2 U1.J31
FPGA_DDR4_CLK_2_200M_N: C370.2(CAP1) R63.1 R64.2 R66.2 U1.AM20
FPGA_DDR4_CLK_2_200M_P: C371.2(CAP1) R62.1 R64.1 R65.2 U1.AL20
FPGA_DONE: Q1.1(GATE) R3.2 U1.U9
FPGA_EMCCLK: R21.2 R23.2
FPGA_INIT_B: R2.2 R5.1 U1.T10
FPGA_M0: R11.2 R12.2 U1.P9
FPGA_M1: R14.2 R16.2 U1.P8
FPGA_M2: R17.2 R20.2 U1.P10
FPGA_PCIE_RST_N: U1.K12 U19.4(A2)
FPGA_PCIE_SMCLK: U1.N13 U18.5(A1)
FPGA_PCIE_SMDAT: U1.K11 U18.4(A2)
FPGA_PCIE_WAKE_N: U1.N12 U19.5(A1)
FPGA_POR_OVERRIDE: R13.1 R15.1 U1.V8
FPGA_PROGRAM_B: R1.2 U1.V10
FPGA_PUDC_B: R18.2 R19.2 U1.U8
FPGA_QSFP_CLK_156P25M_N: C15.2(CAP1) U1.N34
FPGA_QSFP_CLK_156P25M_P: C14.2(CAP1) U1.N33
FPGA_QSFP_IIC_SCL: J3.11(SCL) R153.2 U14.20(B1)
FPGA_QSFP_IIC_SCL_1V8: U1.D9 U14.1(A1)
FPGA_QSFP_IIC_SDA: J3.12(SDA) R154.2 U14.18(B2)
FPGA_QSFP_IIC_SDA_1V8: U1.C9 U14.3(A2)
FPGA_QSFP_INTL: J3.28(INTL) R158.2 U14.14(B6)
FPGA_QSFP_INTL_1V8: U1.A9 U14.7(A6)
FPGA_QSFP_LPMODE: J3.31(LPMODE) U14.13(B7)
FPGA_QSFP_LPMODE_1V8: U1.A10 U14.8(A7)
FPGA_QSFP_MODPRSL: J3.27(MODPRSL) R157.2 U14.15(B5)
FPGA_QSFP_MODPRSL_1V8: U1.B10 U14.6(A5)
FPGA_QSFP_MODSELL: J3.8(MODSELL) R155.2 U14.17(B3)
FPGA_QSFP_MODSELL_1V8: U1.B11 U14.4(A3)
FPGA_QSFP_RESETL: J3.9(RESETL) R156.2 U14.16(B4)
FPGA_QSFP_RESETL_1V8: U1.B9 U14.5(A4)
FPGA_QSFP_RX_0_N: J3.18(RX1N) U1.G39
FPGA_QSFP_RX_0_P: J3.17(RX1P) U1.G38
FPGA_QSFP_RX_1_N: J3.21(RX2N) U1.E39
FPGA_QSFP_RX_1_P: J3.22(RX2P) U1.E38
FPGA_QSFP_RX_2_N: J3.15(RX3N) U1.C39
FPGA_QSFP_RX_2_P: J3.14(RX3P) U1.C38
FPGA_QSFP_RX_3_N: J3.24(RX4N) U1.B37
FPGA_QSFP_RX_3_P: J3.25(RX4P) U1.B36
FPGA_QSFP_TX_0_N: J3.37(TX1N) U1.F36
FPGA_QSFP_TX_0_P: J3.36(TX1P) U1.F35
FPGA_QSFP_TX_1_N: J3.2(TX2N) U1.D36
FPGA_QSFP_TX_1_P: J3.3(TX2P) U1.D35
FPGA_QSFP_TX_2_N: J3.34(TX3N) U1.C34
FPGA_QSFP_TX_2_P: J3.33(TX3P) U1.C33
FPGA_QSFP_TX_3_N: J3.5(TX4N) U1.A34
FPGA_QSFP_TX_3_P: J3.6(TX4P) U1.A33
FPGA_REFCLK1_156P25M_N: C17.2(CAP1) R46.1 R48.2 U20.12(OUT1_N)
FPGA_REFCLK1_156P25M_P: C16.2(CAP1) R45.1 R47.2 U20.11(OUT1_P)
FPGA_REFCLK2_200M_N: C19.2(CAP1) R54.1 R57.2 U23.12(OUT1_N)
FPGA_REFCLK2_200M_P: C20.2(CAP1) R53.1 R56.2 U23.11(OUT1_P)
FPGA_SFP0_IIC_SCL: P1.A4(A_SDA) R165.2 U15.20(B1)
FPGA_SFP0_IIC_SCL_1V8: U1.H7 U15.1(A1)
FPGA_SFP0_IIC_SDA: P1.A5(A_SCL) R166.2 U15.18(B2)
FPGA_SFP0_IIC_SDA_1V8: U1.D10 U15.3(A2)
FPGA_SFP0_LOS: P1.A8(A_LOS) R169.2 U15.14(B6)
FPGA_SFP0_LOS_1V8: U1.C11 U15.7(A6)
FPGA_SFP0_MOD_DETECT: P1.A6(A_MOD_ABS) R167.2 U15.15(B5)
FPGA_SFP0_MOD_DETECT_1V8: U1.F7 U15.6(A5)
FPGA_SFP0_RS0: P1.A7(A_RS0) R161.2 R168.2
FPGA_SFP0_RS1: P1.A9(A_RS1) R162.2 R163.2
FPGA_SFP0_TX_DISABLE: P1.A3(A_TX_DISABLE) R160.2 U15.16(B4)
FPGA_SFP0_TX_DISABLE_1V8: U1.F8 U15.5(A4)
FPGA_SFP0_TX_FAULT: P1.A2(A_TX_FAULT) R159.2 U15.17(B3)
FPGA_SFP0_TX_FAULT_1V8: U1.G7 U15.4(A3)
FPGA_SFP1_IIC_SCL: P1.B4(B_SDA) R172.2 U15.13(B7)
FPGA_SFP1_IIC_SCL_1V8: U1.E8 U15.8(A7)
FPGA_SFP1_IIC_SDA: P1.B5(B_SCL) R164.2 U15.12(B8)
FPGA_SFP1_IIC_SDA_1V8: U1.B12 U15.9(A8)
FPGA_SFP1_LOS: P1.B8(B_LOS) R178.2 U16.16(B4)
FPGA_SFP1_LOS_1V8: U1.L10 U16.5(A4)
FPGA_SFP1_MOD_DETECT: P1.B6(B_MOD_ABS) R173.2 U16.17(B3)
FPGA_SFP1_MOD_DETECT_1V8: U1.M9 U16.4(A3)
FPGA_SFP1_RS0: P1.B7(B_RS0) R174.2 R175.2
FPGA_SFP1_RS1: P1.B9(B_RS1) R176.2 R177.2
FPGA_SFP1_TX_DISABLE: P1.B3(B_TX_DISABLE) R171.2 U16.18(B2)
FPGA_SFP1_TX_DISABLE_1V8: U1.N9 U16.3(A2)
FPGA_SFP1_TX_FAULT: P1.B2(B_TX_FAULT) R170.2 U16.20(B1)
FPGA_SFP1_TX_FAULT_1V8: U1.L9 U16.1(A1)
FPGA_SFP2_IIC_SCL: P1.C4(C_SDA) R181.2 U16.15(B5)
FPGA_SFP2_IIC_SCL_1V8: U1.K10 U16.6(A5)
FPGA_SFP2_IIC_SDA: P1.C5(C_SCL) R182.2 U16.14(B6)
FPGA_SFP2_IIC_SDA_1V8: U1.M10 U16.7(A6)
FPGA_SFP2_LOS: P1.C8(C_LOS) R188.2 U17.18(B2)
FPGA_SFP2_LOS_1V8: U1.E11 U17.3(A2)
FPGA_SFP2_MOD_DETECT: P1.C6(C_MOD_ABS) R183.2 U17.20(B1)
FPGA_SFP2_MOD_DETECT_1V8: U1.H9 U17.1(A1)
FPGA_SFP2_RS0: P1.C7(C_RS0) R184.2 R185.2
FPGA_SFP2_RS1: P1.C9(C_RS1) R186.2 R187.2
FPGA_SFP2_TX_DISABLE: P1.C3(C_TX_DISABLE) R180.2 U16.12(B8)
FPGA_SFP2_TX_DISABLE_1V8: U1.N11 U16.9(A8)
FPGA_SFP2_TX_FAULT: P1.C2(C_TX_FAULT) R179.2 U16.13(B7)
FPGA_SFP2_TX_FAULT_1V8: U1.M11 U16.8(A7)
FPGA_SFP3_IIC_SCL: P1.D4(D_SDA) R191.2 U17.17(B3)
FPGA_SFP3_IIC_SCL_1V8: U1.D11 U17.4(A3)
FPGA_SFP3_IIC_SDA: P1.D5(D_SCL) R192.2 U17.16(B4)
FPGA_SFP3_IIC_SDA_1V8: U1.J10 U17.5(A4)
FPGA_SFP3_LOS: P1.D8(D_LOS) R198.2 U17.12(B8)
FPGA_SFP3_LOS_1V8: U1.C12 U17.9(A8)
FPGA_SFP3_MOD_DETECT: P1.D6(D_MOD_ABS) R193.2 U17.13(B7)
FPGA_SFP3_MOD_DETECT_1V8: U1.H8 U17.8(A7)
FPGA_SFP3_RS0: P1.D7(D_RS0) R194.2 R195.2
FPGA_SFP3_RS1: P1.D9(D_RS1) R196.2 R197.2
FPGA_SFP3_TX_DISABLE: P1.D3(D_TX_DISABLE) R190.2 U17.14(B6)
FPGA_SFP3_TX_DISABLE_1V8: U1.H11 U17.7(A6)
FPGA_SFP3_TX_FAULT: P1.D2(D_TX_FAULT) R189.2 U17.15(B5)